# Altium PCB DB31.PcbDoc (part 6 of 8) (continued)
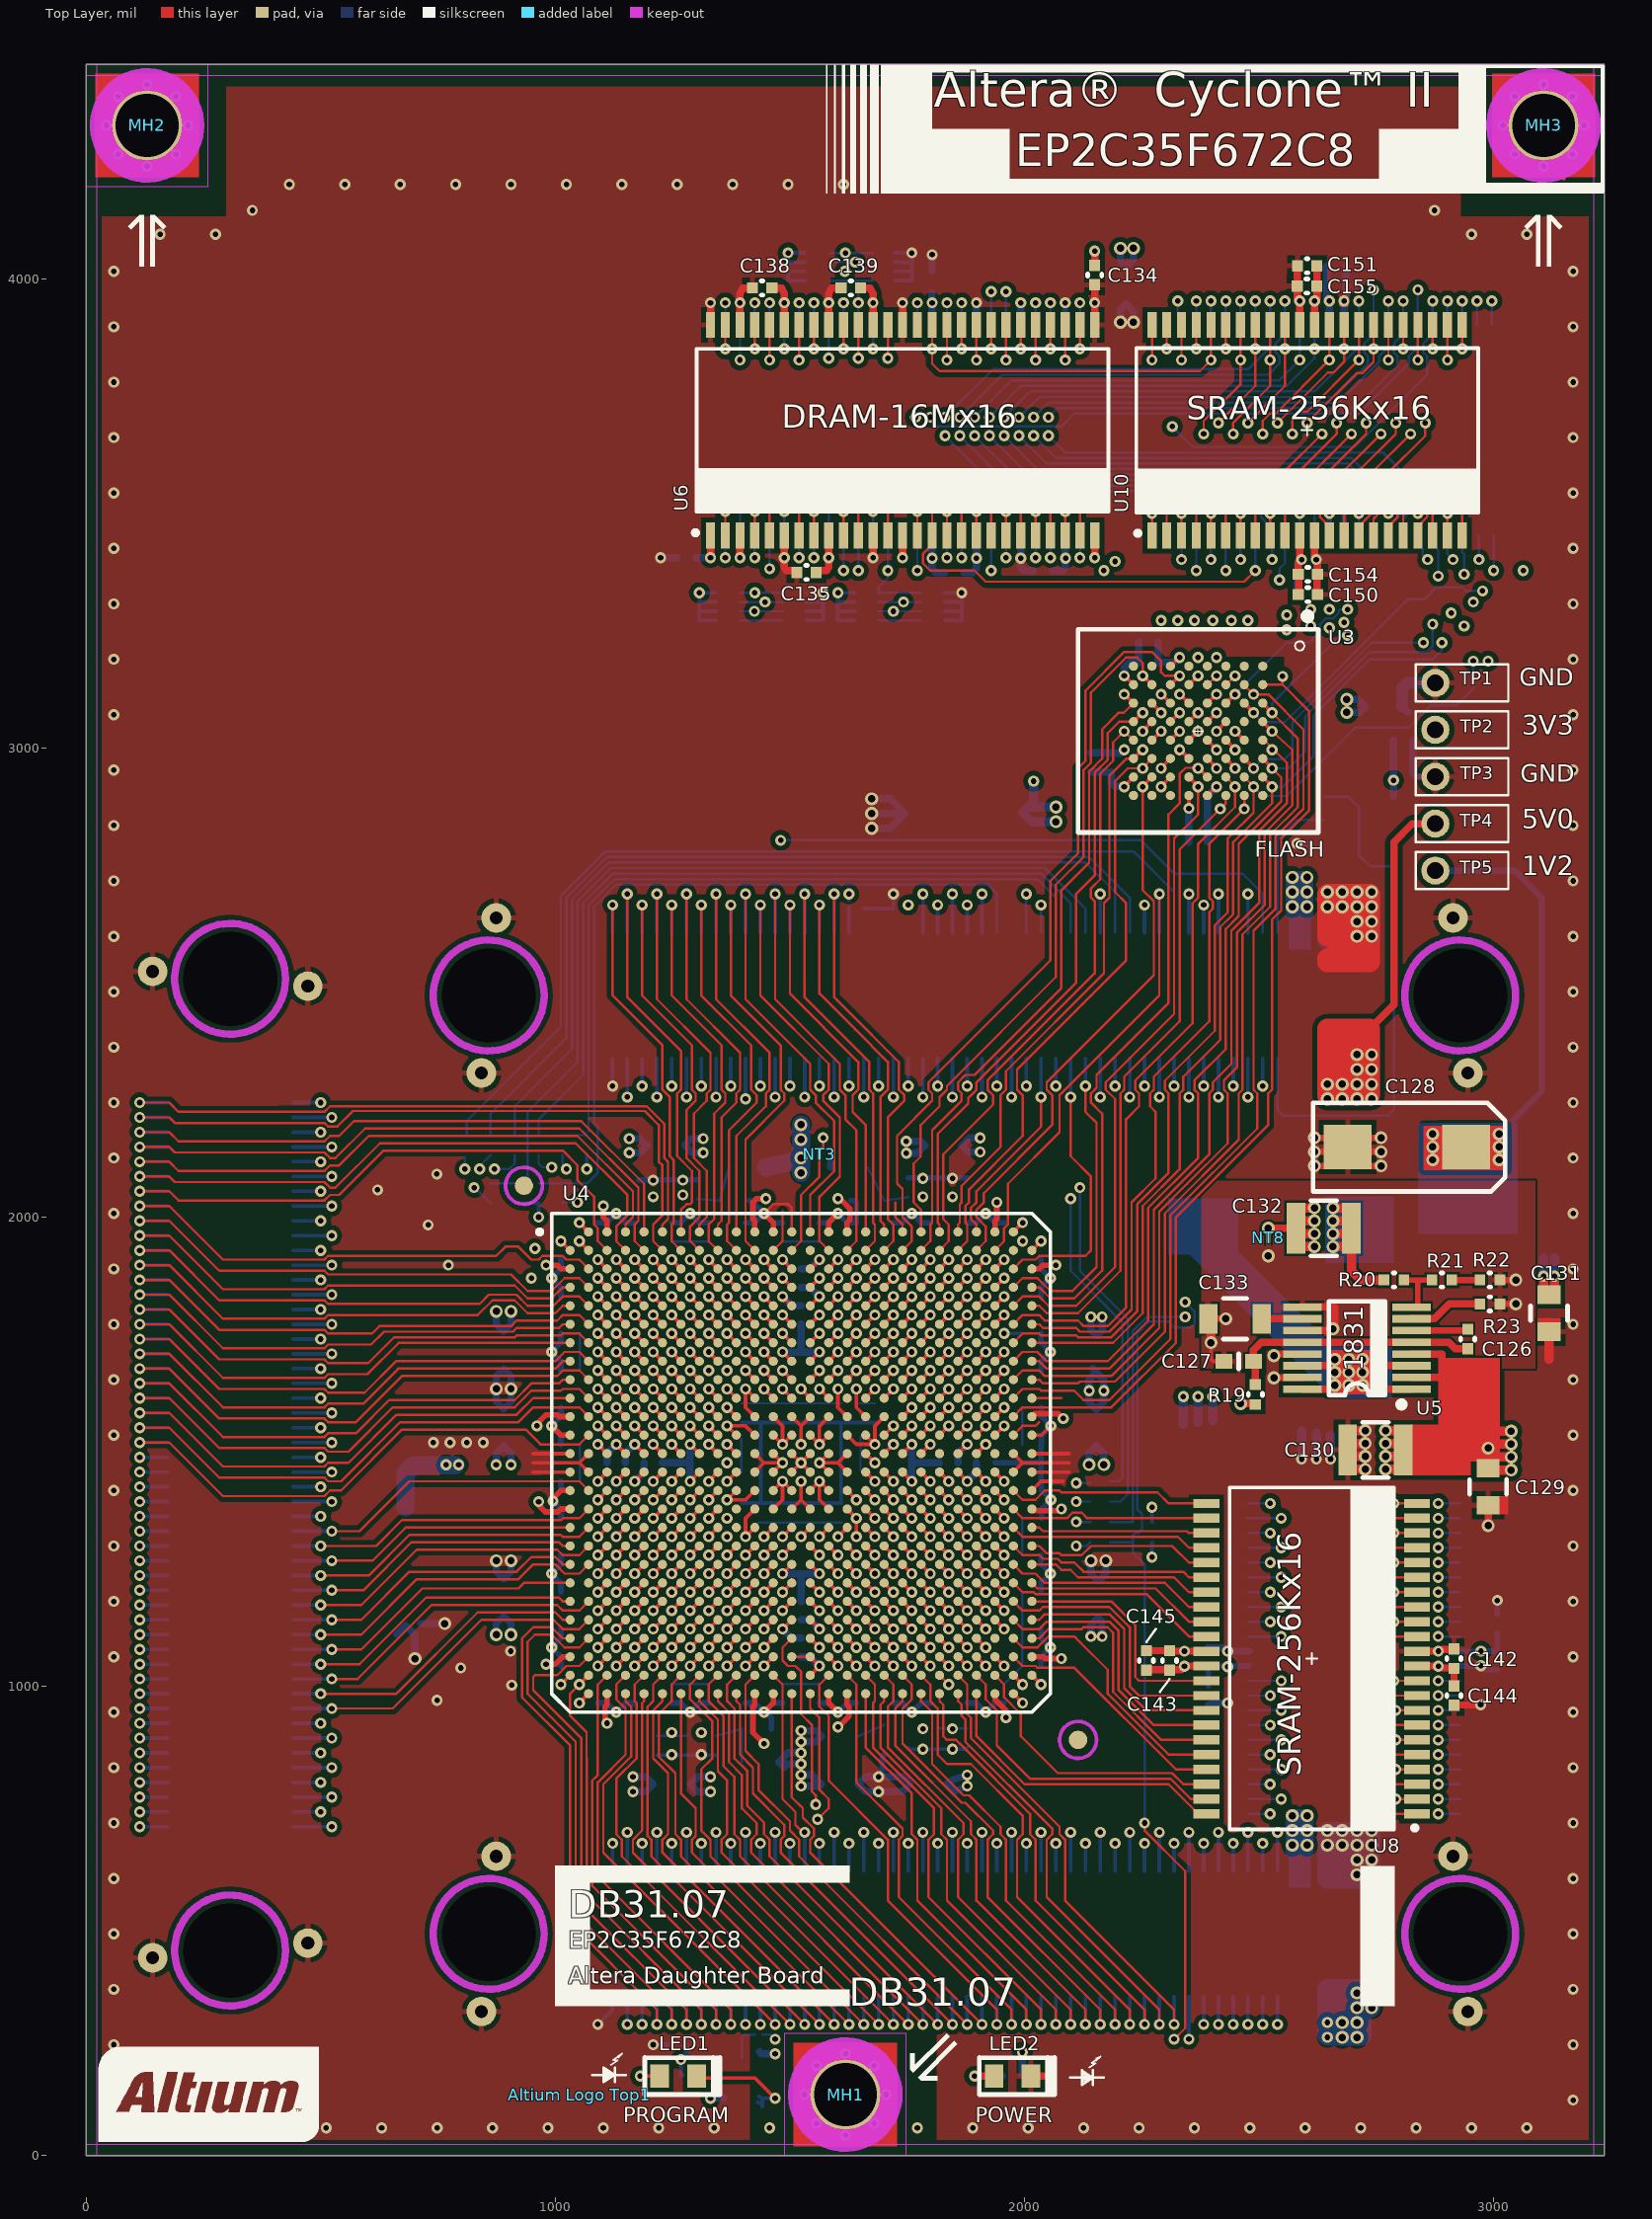
[diagram p0: Top Layer view]
## Nets (pads, with @x,y where several pads share a name; then routed paths per layer and width w, separated by ;. In a path a pad name is that pad's centre, name@x,y a point inside that pad or via, vN(x,y) a via of type N, cw(c..) or ccw(c..) an arc to the next point about the centre after c; other vN are vias at no path point) (continued)
  other v2: 1248.03,854.33 1311.02,854.33 1992.13,3404.53
  other v3: 2708.66,598.42 2740.16,598.42 2708.66,629.92 2740.16,629.92 2645.67,661.42 2677.17,661.42 2708.66,661.42 2740.16,661.42 2645.67,692.91 2677.17,692.91 2708.66,692.91 2740.16,692.91 874.02,1633.86 905.51,1633.86 2740.16,2598.43 2708.66,2629.92 2740.16,2629.92 2645.67,2661.42 2677.17,2661.42 2708.66,2661.42 2740.16,2661.42 2645.67,2692.91 2677.17,2692.91 2708.66,2692.91 2740.16,2692.91
IO0: HDR_B1.7 U4.AC1 | length 1122.9
  Top Layer w5: U4.AC1@1031.5,1102.36 1015.75,1102.36 992.13,1125.98 968.5,1125.98 956.69,1125.98 952.76,1125.98 929.13,1102.36 929.13,976.38 1031.5,874.02 1031.5,496.06 1216.54,311.02 v2(1216.54,279.53)
  Bottom Layer w7.87: v2(1216.54,279.53) HDR_B1.7@1216.54,338.58
IO1: HDR_B1.9 U4.AC2 | length 1157.2
  Top Layer w5: U4.AC2@1070.87,1102.36 1051.18,1082.68 1019.68,1082.68 992.13,1110.24 968.5,1110.24 956.69,1110.24 940.94,1094.49 940.94,984.25 1043.31,881.89 1043.31,515.75 1248.03,311.02 v2(1248.03,279.53)
  Bottom Layer w7.87: v2(1248.03,279.53) HDR_B1.9@1248.03,338.58
IO2: HDR_B1.11 U4.AD2 | length 1070.6
  Top Layer w5: U4.AD2@1070.87,1062.99 1051.18,1043.31 1023.62,1043.31 1003.94,1023.62 968.5,1023.62 956.69,1023.62 952.76,1019.68 952.76,992.13 1055.12,889.76 1055.12,535.43 1279.53,311.02 v2(1279.53,279.53)
  Bottom Layer w7.87: v2(1279.53,279.53) HDR_B1.11@1279.53,338.58
IO3: HDR_B1.13 U4.AE2 | length 935.2
  Top Layer w5: v1(1051.18,1003.93) 1031.5,984.25 1031.5,956.69 1031.5,944.88 1031.5,937.01 1066.44,902.07 1066.44,846.95 1066.93,846.46 1066.93,555.12 1311.02,311.02 v2(1311.02,279.53)
  Top Layer w7.87: v1(1051.18,1003.93) U4.AE2@1070.87,1023.62
  Bottom Layer w7.87: v2(1311.02,279.53) HDR_B1.13@1311.03,338.58
IO4: HDR_B1.15 U4.AE3 | length 925.5
  Top Layer w5: U4.AE3@1110.24,1023.62 1090.55,1003.94 1090.55,921.26 1090.55,909.45 1090.55,811.02 1078.74,799.21 1078.74,574.8 1342.52,311.02 v2(1342.52,279.53)
  Bottom Layer w7.87: v2(1342.52,279.53) HDR_B1.15@1342.52,338.58
IO5: HDR_B1.17 U4.AE4 | length 961.3
  Top Layer w5: U4.AE4@1149.61,1023.62 1129.92,1003.94 1129.92,972.44 1149.61,952.76 1149.61,921.26 1149.61,909.45 1149.61,854.33 1090.55,795.28 1090.55,594.49 1374.02,311.02 v2(1374.02,279.53)
  Bottom Layer w7.87: v2(1374.02,279.53) HDR_B1.17@1374.02,338.58
IO6: HDR_B1.19 U4.AD4 | length 1041.2
  Top Layer w7.87: v1(1129.92,1043.3) U4.AD4@1149.61,1062.99
  MidLayer1 w5: v1(1129.92,1043.3) 1129.92,1007.87 1090.55,968.5 1090.55,921.26 1090.55,909.45 1090.55,842.52 1043.31,795.27 1043.31,633.86 1120.32,556.84 1128.2,556.84 v2(1405.51,279.53)
  Bottom Layer w7.87: v2(1405.51,279.53) HDR_B1.19@1405.51,338.58
IO7: HDR_B1.21 U4.AC5 | length 1109.4
  Top Layer w7.87: v1(1169.29,1082.67) U4.AC5@1188.98,1102.36
  MidLayer1 w5: v1(1169.29,1082.67) 1149.61,1062.99 1149.61,921.26 1149.61,909.45 1149.61,885.83 1055.12,791.34 1055.12,637.8 1125.98,566.93 1149.61,566.93 v2(1437.01,279.53)
  Bottom Layer w7.87: v2(1437.01,279.53) HDR_B1.21@1437.01,338.58
IO8: HDR_B1.23 U4.AF4 | length 944.8
  Top Layer w5: U4.AF4@1149.61,984.25 1149.61,968.51 1161.42,956.7 1161.42,921.26 1161.42,909.45 1161.42,850.39 1102.36,791.34 1102.36,645.67 v2(1468.5,279.53)
  Bottom Layer w7.87: v2(1468.5,279.53) HDR_B1.23@1468.51,338.58
IO9: HDR_B1.25 U4.AE5 | length 984.2
  Top Layer w5: U4.AE5@1188.98,1023.62 1169.29,1003.94 1169.29,968.5 1173.23,964.57 1173.23,921.26 1173.23,909.45 1173.23,846.46 1129.92,803.15 1129.92,685.04 1141.73,673.23 1141.73,637.79 v2(1500,279.53)
  Bottom Layer w7.87: v2(1500,279.53) HDR_B1.25@1500,338.58
IO10: HDR_B1.27 U4.AF5 | length 925.2
  Top Layer w5: U4.AF5@1188.98,984.25 1188.98,968.5 1185.04,964.57 1185.04,921.26 1185.04,909.45 1185.04,692.91 1165.35,673.23 1165.35,645.67 v2(1531.5,279.53)
  Bottom Layer w7.87: v2(1531.5,279.53) HDR_B1.27@1531.5,338.58
IO11: HDR_B1.29 U4.AE6 | length 967.9
  Top Layer w5: U4.AE6@1228.35,1023.62 1208.66,1003.94 1208.66,968.5 1196.85,956.69 1196.85,921.26 1196.85,909.45 1196.85,681.1 1204.72,673.23 1204.72,637.79 v2(1562.99,279.53)
  Bottom Layer w7.87: v2(1562.99,279.53) HDR_B1.29@1562.99,338.58
IO12: HDR_B1.31 U4.AF6 | length 941.5
  Top Layer w5: U4.AF6@1228.35,984.25 1228.35,968.5 1208.66,948.82 1208.66,921.26 1208.66,909.45 1208.66,846.46 1240.16,814.96 1240.16,685.04 1228.35,673.23 1228.35,645.67 v2(1594.49,279.53)
  Bottom Layer w7.87: v2(1594.49,279.53) HDR_B1.31@1594.49,338.58
IO13: HDR_B1.33 U4.AE7 | length 990.7
  Top Layer w5: U4.AE7@1267.72,1023.62 1248.03,1003.94 1248.03,968.5 1220.47,940.94 1220.47,921.26 1220.47,909.45 1220.47,850.39 1255.91,814.96 1255.91,685.04 1267.72,673.23 1267.72,637.79 v2(1625.99,279.53)
  Bottom Layer w7.87: v2(1625.99,279.53) HDR_B1.33@1625.99,338.58
IO14: HDR_B1.35 U4.AF7 | length 931.7
  Top Layer w5: U4.AF7@1267.72,984.25 1267.72,968.5 1267.72,921.26 1267.72,909.45 1267.72,771.65 1299.21,740.16 1299.21,681.1 1291.34,673.23 1291.34,645.67 v2(1657.48,279.53)
  Bottom Layer w7.87: v2(1657.48,279.53) HDR_B1.35@1657.48,338.58
IO15: HDR_B1.37 U4.AE8 | length 997.2
  Top Layer w5: U4.AE8@1307.09,1023.62 1287.4,1003.94 1287.4,972.44 1334.65,925.2 1334.65,921.26 1334.65,909.45 1334.65,846.46 1311.02,822.83 1311.02,692.91 1330.71,673.23 1330.71,637.79 v2(1688.98,279.53)
  Bottom Layer w7.87: v2(1688.98,279.53) HDR_B1.37@1688.98,338.58
IO16: HDR_B1.39 U4.AF8 | length 944.8
  Top Layer w5: U4.AF8@1307.09,984.25 1307.09,968.51 1346.46,929.14 1346.46,921.26 1346.46,909.45 1346.46,818.9 1366.14,799.21 1366.14,685.04 1354.33,673.23 1354.33,645.67 v2(1720.47,279.53)
  Bottom Layer w7.87: v2(1720.47,279.53) HDR_B1.39@1720.48,338.58
IO17: HDR_B1.41 U4.AE9 | length 987.4
  Top Layer w5: U4.AE9@1346.46,1023.62 1326.77,1003.94 1326.77,968.5 1358.27,937.01 1358.27,921.26 1358.27,909.45 1358.27,830.46 1381.89,806.84 1381.89,685.04 1393.7,673.23 1393.7,637.79 v2(1751.97,279.53)
  Bottom Layer w7.87: v2(1751.97,279.53) HDR_B1.41@1751.97,338.58
IO18: HDR_B1.43 U4.AF9 | length 954.6
  Top Layer w5: U4.AF9@1346.46,984.25 1346.46,968.5 1370.08,944.88 1370.08,921.26 1370.08,909.45 1370.08,838.58 1397.64,811.02 1397.64,740.16 1429.13,708.66 1429.13,685.04 1417.32,673.23 1417.32,645.67 v2(1783.47,279.53)
  Bottom Layer w7.87: v2(1783.47,279.53) HDR_B1.43@1783.47,338.58
IO19: HDR_B1.45 U4.AE10 | length 997.2
  Top Layer w5: U4.AE10@1385.83,1023.62 1366.14,1003.94 1366.14,968.5 1381.89,952.76 1381.89,921.26 1381.89,909.45 1381.89,846.46 1409.45,818.9 1409.45,745.08 1444.88,709.64 1444.88,685.04 1456.69,673.23 1456.69,637.79 v2(1814.96,279.53)
  Bottom Layer w7.87: v2(1814.96,279.53) HDR_B1.45@1814.96,338.58
IO20: HDR_B1.47 U4.AF10 | length 961.1
  Top Layer w5: U4.AF10@1385.83,984.25 1385.83,968.5 1393.7,960.63 1393.7,921.26 1393.7,909.45 1393.7,854.33 1421.26,826.77 1421.26,771.65 1488.19,704.72 1488.19,681.1 1480.31,673.23 1480.31,645.67 v2(1846.46,279.53)
  Bottom Layer w7.87: v2(1846.46,279.53) HDR_B1.47@1846.46,338.58
IO21: HDR_B1.49 U4.AE11 | length 1007
  Top Layer w5: U4.AE11@1425.2,1023.62 1405.51,1003.93 1405.51,921.26 1405.51,909.45 1405.51,862.2 1433.07,834.65 1433.07,779.53 1500,712.6 1500,692.91 1519.69,673.23 1519.69,637.79 v2(1877.95,279.53)
  Bottom Layer w7.87: v2(1877.95,279.53) HDR_B1.49@1877.96,338.58
IO22: HDR_B1.51 U4.AF13 | length 938.3
  Top Layer w5: U4.AF13@1503.94,984.25 1503.94,921.26 1503.94,909.45 1503.94,763.78 1527.56,740.16 1527.56,720.47 1551.18,696.85 1551.18,681.1 1543.31,673.23 1543.31,645.67 v2(1909.45,279.53)
  Bottom Layer w7.87: v2(1909.45,279.53) HDR_B1.51@1909.45,338.58
IO23: HDR_B1.53 U4.AE15 | length 967.9
  Top Layer w5: U4.AE15@1582.68,1023.62 1562.99,1003.93 1562.99,956.69 1582.68,937.01 1582.68,921.26 1582.68,909.45 1582.68,799.21 1708.66,673.23 1708.66,543.31 1940.95,311.02 v2(1940.95,279.53)
  Bottom Layer w7.87: v2(1940.95,279.53) HDR_B1.53@1940.95,338.58
IO24: HDR_B1.55 U4.AE16 | length 954.8
  Top Layer w5: U4.AE16@1622.05,1023.62 1641.73,1003.93 1641.73,921.26 1641.73,909.45 1641.73,795.28 1740.16,696.85 1740.16,681.1 1732.28,673.23 1732.28,551.18 1972.44,311.02 v2(1972.44,279.53)
  Bottom Layer w7.87: v2(1972.44,279.53) HDR_B1.55@1972.44,338.58
IO25: HDR_B1.57 U4.AF17 | length 905.7
  Top Layer w5: U4.AF17@1661.42,984.25 1661.42,921.26 1661.42,909.45 1661.42,870.08 1759.84,771.65 1759.84,685.04 1771.65,673.23 1771.65,543.31 2003.94,311.02 v2(2003.94,279.53)
  Bottom Layer w7.87: v2(2003.94,279.53) HDR_B1.57@2003.94,338.58
IO26: HDR_B1.59 U4.AE17 | length 971.1
  Top Layer w5: U4.AE17@1661.42,1023.62 1681.1,1003.94 1681.1,968.5 1677.17,964.57 1677.17,921.26 1677.17,909.45 1677.17,870.08 1807.09,740.16 1807.09,685.04 1795.27,673.23 1795.27,551.18 2035.43,311.02 v2(2035.43,279.53)
  Bottom Layer w7.87: v2(2035.43,279.53) HDR_B1.59@2035.44,338.58
IO27: HDR_B1.61 U4.AF18 | length 922
  Top Layer w5: U4.AF18@1700.79,984.25 1700.79,968.5 1692.91,960.63 1692.91,921.26 1692.91,909.45 1692.91,870.08 1822.83,740.16 1822.83,685.04 1834.64,673.23 1834.64,543.31 2066.93,311.02 v2(2066.93,279.53)
  Bottom Layer w7.87: v2(2066.93,279.53) HDR_B1.61@2066.93,338.58
IO28: HDR_B1.63 U4.AE18 | length 987.4
  Top Layer w5: U4.AE18@1700.79,1023.62 1720.47,1003.94 1720.47,968.5 1708.66,956.69 1708.66,921.26 1708.66,909.45 1708.66,870.08 1870.08,708.66 1870.08,685.04 1858.27,673.23 1858.27,551.18 2098.43,311.02 v2(2098.43,279.53)
  Bottom Layer w7.87: v2(2098.43,279.53) HDR_B1.63@2098.43,338.58
IO29: HDR_B1.65 U4.AF19 | length 938.3
  Top Layer w5: U4.AF19@1740.16,984.25 1740.16,968.51 1724.41,952.76 1724.41,921.26 1724.41,909.45 1724.41,874.02 1885.83,712.6 1885.83,685.04 1897.64,673.23 1897.64,543.31 2129.92,311.02 v2(2129.92,279.53)
  Bottom Layer w7.87: v2(2129.92,279.53) HDR_B1.65@2129.92,338.58
IO30: HDR_B1.67 U4.AE19 | length 1008.3
  Top Layer w5: U4.AE19@1740.16,1023.62 1759.84,1003.94 1759.84,972.44 1740.16,952.76 1740.16,921.26 1740.16,909.45 1740.16,877.95 1866.14,751.97 1874.02,751.97 1933.07,692.91 1933.07,685.04 1921.26,673.23 1921.26,551.18 2161.42,311.02 v2(2161.42,279.53)
  Bottom Layer w7.87: v2(2161.42,279.53) HDR_B1.67@2161.42,338.58
IO31: HDR_B1.69 U4.AF20 | length 941.9
  Top Layer w5: U4.AF20@1779.53,984.25 1779.53,968.5 1803.15,944.88 1803.15,921.26 1803.15,909.45 1803.15,834.65 1870.08,767.72 1881.89,767.72 1948.82,700.79 1948.82,685.04 1960.63,673.23 1960.63,543.31 2192.91,311.02 v2(2192.91,279.53)
  Bottom Layer w7.87: v2(2192.91,279.53) HDR_B1.69@2192.92,338.58
IO32: HDR_B1.71 U4.AE20 | length 1027.2
  Top Layer w5: U4.AE20@1779.53,1023.62 1799.21,1003.94 1799.21,968.5 1814.96,952.75 1814.96,921.26 1814.96,909.45 1814.96,854.33 1834.65,834.65 1885.83,834.65 1996.06,724.41 1996.06,685.04 1984.25,673.23 1984.25,551.18 2224.41,311.02 v2(2224.41,279.53)
  Bottom Layer w7.87: v2(2224.41,279.53) HDR_B1.71@2224.41,338.58
IO33: HDR_B1.73 U4.AF21 | length 956.3
  Top Layer w5: U4.AF21@1818.9,984.25 1818.9,968.5 1826.77,960.63 1826.77,921.26 1826.77,909.45 1826.77,893.7 1834.65,885.83 1854.33,885.83 1866.14,874.02 2011.81,728.35 2011.81,685.04 2023.62,673.23 2023.62,543.31 2255.91,311.02 v2(2255.91,279.53)
  Bottom Layer w7.87: v2(2255.91,279.53) HDR_B1.73@2255.91,338.58
IO34: HDR_B1.75 U4.AF22 | length 951.3
  Top Layer w5: U4.AF22@1858.27,984.25 1858.27,968.5 1866.14,960.63 1866.14,937.01 1874.02,929.13 1874.02,921.26 1874.02,909.45 1874.02,881.89 2059.05,696.85 2059.05,685.04 2047.24,673.23 2047.24,551.18 2287.4,311.02 v2(2287.4,279.53)
  Bottom Layer w7.87: v2(2287.4,279.53) HDR_B1.75@2287.41,338.58
IO35: HDR_B1.77 U4.AE22 | length 994
  Top Layer w5: U4.AE22@1858.27,1023.62 1877.95,1003.94 1877.95,940.95 1885.83,933.07 1885.83,921.26 1885.83,909.45 1885.83,889.76 2074.8,700.79 2074.8,685.04 2086.61,673.23 2086.61,543.31 2318.9,311.02 v2(2318.9,279.53)
  Bottom Layer w7.87: v2(2318.9,279.53) HDR_B1.77@2318.9,338.58
KBCLOCK: HDR_T1.26 U4.A17 | length 832.6
  Top Layer w5: v2(1500,2665.35) 1500,2476.38 1645.67,2330.71 1645.67,2271.65 1633.86,2259.84 1633.86,2224.41 1661.42,2196.85 1661.42,2039.37 1661.42,2031.5 U4.A17@1661.42,1968.5
  Bottom Layer w7.87: HDR_T1.26@1500,2606.3 v2(1500,2665.35)
KBDATA: HDR_T1.28 U4.B17 | length 912.6
  Top Layer w5: v2(1531.5,2688.98) 1531.5,2515.75 1531.5,2468.5 1669.29,2330.71 1669.29,2271.65 1677.17,2263.78 1677.17,2039.37 1677.17,2031.5 1677.17,1988.19 1681.1,1984.25 1681.1,1948.82 U4.B17@1661.42,1929.13
  Bottom Layer w7.87: HDR_T1.28@1531.5,2606.3 v2(1531.5,2688.98)
LED0: HDR_B1.6 U4.AD7 | length 490.9
  Top Layer w7.87: v1(1248.03,1043.3) U4.AD7@1267.72,1062.99
  MidLayer1 w5: v2(1185.04,665.35) 1185.04,696.85 1208.66,720.47 1208.66,909.45 1208.66,921.26 1208.66,980.31 1248.03,1019.68 v1(1248.03,1043.3)
  Bottom Layer w7.87: HDR_B1.6@1185.04,606.3 v2(1185.04,665.35)
LED1: HDR_B1.8 U4.AC8 | length 533.6
  Top Layer w7.87: v1(1287.4,1082.67) U4.AC8@1307.09,1102.36
  MidLayer1 w5: v2(1216.54,688.98) 1216.54,708.66 1224.41,716.54 1224.41,909.45 1224.41,921.26 1224.41,972.44 1267.72,1015.75 1267.72,1062.99 v1(1287.4,1082.67)
  Bottom Layer w7.87: HDR_B1.8@1216.54,606.3 v2(1216.54,688.98)
LED2: HDR_B1.10 U4.AD8 | length 481.2
  Top Layer w7.87: v1(1287.4,1043.3) U4.AD8@1307.09,1062.99
  MidLayer1 w5: v2(1248.03,665.35) 1248.03,822.83 1267.72,842.52 1267.72,909.45 1267.72,921.26 1267.72,996.06 1287.4,1015.74 v1(1287.4,1043.3)
  Bottom Layer w7.87: HDR_B1.10@1248.03,606.3 v2(1248.03,665.35)
LED3: HDR_B1.12 U4.AC9 | length 523.8
  Top Layer w7.87: v1(1326.77,1082.67) U4.AC9@1346.46,1102.36
  MidLayer1 w5: v2(1279.53,688.98) 1291.34,700.79 1291.34,909.45 1291.34,921.26 1307.09,937.01 1307.09,1062.99 v1(1326.77,1082.67)
  Bottom Layer w7.87: HDR_B1.12@1279.53,606.3 v2(1279.53,688.98)
LED4: HDR_B1.14 U4.AC10 | length 530.3
  Top Layer w7.87: v1(1366.14,1082.67) U4.AC10@1385.83,1102.36
  MidLayer1 w5: v2(1311.02,665.35) 1311.02,696.85 1350.39,736.22 1350.39,909.45 1350.39,921.26 1350.39,1023.62 1346.46,1027.56 1346.46,1062.99 v1(1366.14,1082.67)
  Bottom Layer w7.87: HDR_B1.14@1311.03,606.3 v2(1311.02,665.35)
LED5: HDR_B1.16 U4.AD10 | length 474.6
  Top Layer w7.87: v1(1366.14,1043.3) U4.AD10@1385.83,1062.99
  MidLayer1 w5: v2(1342.52,688.98) 1366.14,712.6 1366.14,909.45 1366.14,921.26 v1(1366.14,1043.3)
  Bottom Layer w7.87: HDR_B1.16@1342.52,606.3 v2(1342.52,688.98)
LED6: HDR_B1.18 U4.AC11 | length 517.3
  Top Layer w7.87: v1(1405.51,1082.67) U4.AC11@1425.2,1102.36
  MidLayer1 w5: v2(1374.02,665.35) 1374.02,688.98 1385.83,700.79 1385.83,909.45 1385.83,921.26 1385.83,1062.99 v1(1405.51,1082.67)
  Bottom Layer w7.87: HDR_B1.18@1374.02,606.3 v2(1374.02,665.35)
LED7: HDR_B1.20 U4.AD11 | length 471.4
  Top Layer w7.87: v1(1405.51,1043.3) U4.AD11@1425.2,1062.99
  MidLayer1 w5: v2(1405.51,688.98) 1405.51,704.72 1397.64,712.6 1397.64,909.45 1397.64,921.26 1397.64,1007.87 1405.51,1015.75 v1(1405.51,1043.3)
  Bottom Layer w7.87: HDR_B1.20@1405.51,606.3 v2(1405.51,688.98)
LED_PGM: LED1.2 U2.4 | length 255.9
  Top Layer w7.87: LED1.2@1295.28,165.35 1301.18,165.35 1425.2,165.35 v1(1468.5,122.05)
  Bottom Layer w7.87: U2.4@1431.51,112.95 1435.5,111.55 U2.4@1440.94,109.65 ; U2.4@1433.07,125.98 1435.04,125.98 1438.97,122.05 v1(1468.5,122.05) ; U2.4@1440.94,104.33 U2.4@1440.94,109.65 ; U2.4@1440.94,122.05 1440.94,110.24 U2.4@1440.94,109.65
LED_PWR: LED2.1 R2.2 | length 102.8
  Top Layer w15.75: v1(1893.7,169.29) LED2.1@1935.04,169.29 LED2.1@1937.01,169.29
  Bottom Layer w15.75: v1(1893.7,169.29) R2.2@1953.23,169.29
LX: L5.1 U5.1 U5.3 U5.14 U5.16 | length 727.1
  Top Layer w15.75: U5.16@2592.58,1633.25 2660.81,1633.25 v3@2669.29,1641.73 ; U5.14@2592.58,1683.25 2651.4,1683.25 ; 2653.54,1681.1 2651.4,1683.25 ; v3@2669.29,1677.17 2663.21,1683.25 2651.4,1683.25 ; 2748.03,1641.73 2756.52,1633.25 U5.1@2824.58,1633.25 ; 2748.03,1677.17 2754.11,1683.25 U5.3@2824.58,1683.25
  Bottom Layer w78.74: 2377.95,1948.82 2653.54,1673.23 v3@2669.29,1673.23
  other v3: 2661.42,1641.73 2690.96,1641.73 2720.5,1641.73 2661.42,1669.29 2690.96,1669.29 2720.5,1669.29 2661.42,1696.85 2690.96,1696.85 2720.5,1696.85
MOUSECLOCK: HDR_T1.30 U4.A18 | length 826
  Top Layer w5: v2(1562.99,2665.35) 1562.99,2476.38 1639.78,2399.59 1708.66,2330.71 1708.66,2271.65 1692.91,2255.91 1692.91,2039.37 1692.91,2031.5 1692.91,1992.13 1700.79,1984.25 U4.A18@1700.79,1968.5
  Bottom Layer w7.87: HDR_T1.30@1562.99,2606.3 v2(1562.99,2665.35)
MOUSEDATA: HDR_T1.32 U4.B18 | length 932.2
  Top Layer w5: v2(1594.49,2688.98) 1594.49,2468.5 1619.95,2443.04 1732.28,2330.71 1732.28,2271.65 1744.09,2259.84 1744.09,2248.03 1708.66,2212.6 1708.66,2039.37 1708.66,2031.5 1708.66,1996.06 1720.47,1984.25 1720.47,1948.82 U4.B18@1700.79,1929.13
  Bottom Layer w7.87: HDR_T1.32@1594.49,2606.3 v2(1594.49,2688.98)
MSEL0: R13.2 U4.P20 | length 406.4
  Top Layer w7.87: U4.P20@1779.53,1456.69 v1(1799.22,1437.01)
  MidLayer4 w5: v1(1799.22,1437.01) 1842.52,1480.31 2062.99,1480.31 v1(2110.24,1433.07)
  Bottom Layer w5: v1(2110.24,1433.07) R13.2@2140.23,1433.07
MSEL1: R12.2 U4.P21 | length 373.5
  Top Layer w7.87: U4.P21@1818.9,1456.69 v1(1838.59,1437.01)
  MidLayer4 w5: v1(1838.59,1437.01) 1870.08,1468.5 2035.43,1468.5 v1(2110.24,1393.7)
  Bottom Layer w5: v1(2110.24,1393.7) R12.2@2140.23,1393.7
NCONFIG: R14.2 U4.N7 | length 951
  Top Layer w7.87: v1(1248.03,1515.75) U4.N7@1267.72,1496.06
  MidLayer3 w5: v1(948.82,1870.08) 948.82,1893.7 984.25,1929.13 984.25,1960.63 1023.62,2000 v1(1023.62,2102.36)
  MidLayer4 w5: v1(948.82,1870.08) 948.82,1708.66 996.06,1661.42 996.06,1594.49 1035.43,1555.12 1035.43,1519.68 1070.87,1484.25 1216.54,1484.25 v1(1248.03,1515.75)
  Bottom Layer w5: R14.2@1015.75,2132.36 1015.75,2114.18 1023.62,2106.3 v1(1023.62,2102.36)
NetLED1_1: LED1.1 R1.2 | length 87.1
  Top Layer w7.87: v1(1181.1,169.29) LED1.1@1222.44,169.29
  Bottom Layer w7.87: v1(1181.1,169.29) R1.2@1226.85,169.29
NetR21_2: R21.2 R22.1 | length 60
  Top Layer w13.78: R21.2@2910.94,1866.14 R22.1@2970.94,1866.14
NetRN1_8: RN1.8 RN4.5 | length 91.3
  Bottom Layer w5: RN1.8@1688.58,3271.65 RN4.5@1779.53,3271.65 RN4.5@1779.92,3271.65
NetRN2_8: RN2.8 RN6.5 | length 91.3
  Bottom Layer w5: RN2.8@1393.3,3271.65 RN6.5@1483.28,3271.66 RN6.5@1484.64,3271.65
NEXUS_TCK: HDR_T1.82 U4.T21 | length 1873.4
  Top Layer w7.87: U4.T21@1818.9,1377.95 v1(1838.59,1358.27)
  MidLayer3 w5: v1(1838.59,1358.27) 1858.27,1338.58 1927.17,1338.58 1992.13,1338.58 2000,1330.71 2025.59,1330.71 2078.74,1330.71 2090.55,1330.71 2133.86,1330.71 2287.4,1484.25 2287.4,2027.56 2433.07,2173.23 2433.07,2263.78 2425.2,2271.65 2425.2,2381.89 2381.89,2425.2 v2(2381.89,2665.35)
  Bottom Layer w7.87: HDR_T1.82@2381.89,2606.3 v2(2381.89,2665.35)
NEXUS_TDI: HDR_T1.84 U4.U21 | length 1961.9
  Top Layer w7.87: U4.U21@1818.9,1338.58 v1(1838.59,1318.9)
  MidLayer3 w5: v1(1838.59,1318.9) 1858.27,1299.21 1980.31,1299.21 2000,1318.9 2078.74,1318.9 2090.55,1318.9 2153.54,1318.9 2299.21,1464.57 2299.21,2023.62 2444.88,2169.29 2444.88,2251.97 2464.57,2271.65 2464.57,2377.95 2413.38,2429.13 v2(2413.38,2688.98)
  Bottom Layer w7.87: HDR_T1.84@2413.39,2606.3 v2(2413.38,2688.98)
NEXUS_TDO: HDR_T1.76 U4.B24 | length 987.7
  Top Layer w5: U4.B24@1937.01,1929.13 1956.69,1948.82 1956.69,1976.38 1964.57,1984.25 1964.57,2031.5 1964.57,2039.37 1964.57,2070.87 2074.8,2181.1 2074.8,2259.84 2086.61,2271.65 2287.4,2472.44 v2(2287.4,2688.98)
  Bottom Layer w7.87: HDR_T1.76@2287.4,2606.3 v2(2287.4,2688.98)
NEXUS_TMS: HDR_T1.80 U4.T19 | length 1939
  Top Layer w7.87: U4.T19@1740.16,1377.95 v1(1759.84,1358.27)
  MidLayer3 w5: v1@1760.03,1358.08 1779.89,1377.95 1980.31,1377.95 2019.68,1417.32 2066.93,1417.32 2070.87,1413.39 2078.74,1413.39 2090.55,1413.39 2169.29,1413.39 2275.59,1519.69 2275.59,2031.5 2393.7,2149.61 2393.7,2263.78 2401.57,2271.65 2401.57,2366.14 2350.39,2417.33 v2(2350.39,2688.98)
  Bottom Layer w7.87: HDR_T1.80@2350.4,2606.3 v2(2350.39,2688.98)
NSTATUS: R18.2 U4.R22 | length 377.1
  Top Layer w7.87: U4.R22@1858.27,1417.32 v1(1877.96,1397.64)
  MidLayer4 w5: v1(1877.96,1397.64) 1897.64,1417.32 1897.64,1448.82 1905.51,1456.69 1964.57,1456.69 2070.87,1350.39 v1(2110.24,1350.39)
  Bottom Layer w5: v1(2110.24,1350.39) R18.2@2140.23,1350.39
ONE_WIRE.PIO2: U1.6
ONE_WIRE_DB_PB: HDR_B1.79 U4.Y12 | length 1843.4
  Top Layer w7.87: v1(1444.88,1200.78) U4.Y12@1464.57,1220.47
  MidLayer3 w5: v1(1444.88,1200.78) 1425.2,1181.1 1425.2,921.26 1425.2,909.45 1425.2,777.56 1385.83,738.19 1385.83,681.1 1740.16,326.77 2334.65,326.77 2350.39,311.02 v2(2350.39,248.03)
  Bottom Layer w7.87: v2(2350.39,248.03) HDR_B1.79@2350.4,338.58
ONE_WIRE_DBID: HDR_T1.92 U1.2 | length 314.2
  Bottom Layer w5: HDR_T1.92@2539.37,2606.3 2539.37,2678.98 2539.37,2805.12 2580.71,2846.46 U1.2@2637.59,2846.45
ONE_WIRE_PIO1: HDR_T1.91 U1.3 | length 1154.4
  Bottom Layer w5: HDR_T1.91@2539.37,2338.58 2539.37,2259.84 2539.37,2228.35 2551.18,2216.54 2775.59,2216.54 2787.4,2228.35 2787.4,2740.16 2779.53,2748.03 2736.22,2748.03 2712.6,2771.65 2712.6,2874.02 2690.16,2896.45 U1.3@2637.59,2896.45
REF_1V2: C133.2 U5.10 | length 86.8
  Top Layer w15.75: C133.2@2505.9,1783.46 2506.11,1783.25 U5.10@2592.58,1783.25
REF_CLK: HDR_B1.4 U4.AF14 | length 887.5
  Top Layer w5: U4.AF14@1543.31,984.25 1543.31,952.76 1562.99,933.07 1562.99,779.53 1582.68,759.84 1582.68,740.16 v1(1559.06,716.54)
  MidLayer1 w5: v2(1153.54,688.98) 1153.54,665.35 1177.17,641.73 1511.81,641.73 1519.68,649.61 1519.68,673.23 1511.81,681.1 1511.81,700.79 1527.56,716.54 v1(1559.06,716.54)
  Bottom Layer w7.87: HDR_B1.4@1153.55,606.3 v2(1153.54,688.98)
RS232_CTS: HDR_T1.22 U4.B15 | length 901.3
  Top Layer w5: v2(1437.01,2665.35) 1437.01,2472.44 1582.68,2326.77 1582.68,2271.65 1570.87,2259.84 1570.87,2251.97 1570.87,2248.03 1606.3,2212.6 1606.3,2086.61 1562.99,2043.31 1562.99,2039.37 1562.99,2031.5 1562.99,1948.82 U4.B15@1582.68,1929.13
  Bottom Layer w7.87: HDR_T1.22@1437.01,2606.3 v2(1437.01,2665.35)
RS232_RTS: HDR_T1.18 U4.B11 | length 885
  Top Layer w5: v2(1374.01,2665.35) 1374.01,2472.44 1480.31,2366.14 1480.31,2271.65 1488.19,2263.78 1488.19,2248.03 1405.51,2165.35 1405.51,2043.31 1405.51,2031.5 1405.51,1948.82 U4.B11@1425.2,1929.13
  Bottom Layer w7.87: HDR_T1.18@1374.02,2606.3 v2(1374.01,2665.35)
RS232_RX: HDR_T1.24 U4.B16 | length 922.4
  Top Layer w5: v2(1468.5,2688.98) 1468.5,2464.57 1606.3,2326.77 1606.3,2271.65 1618.11,2259.84 1618.11,2251.97 1618.11,2208.66 1641.73,2185.04 1641.73,2039.37 1641.73,2031.5 1641.73,1948.82 U4.B16@1622.05,1929.13
  Bottom Layer w7.87: HDR_T1.24@1468.5,2606.3 v2(1468.5,2688.98)
RS232_TX: HDR_T1.20 U4.A14 | length 902.6
  Top Layer w5: v2(1405.51,2688.98) 1405.51,2464.57 1543.31,2326.77 1543.31,2271.65 1555.12,2259.84 1555.12,2244.09 1594.49,2204.72 1594.49,2098.43 1543.31,2047.24 1543.31,2039.37 1543.31,2031.5 U4.A14@1543.31,1968.5
  Bottom Layer w7.87: HDR_T1.20@1405.51,2606.3 v2(1405.51,2688.98)
SCL: HDR_B1.5 U4.Y11 | length 1129.5
  Top Layer w7.87: v1(1405.51,1200.78) U4.Y11@1425.2,1220.47
  MidLayer3 w5: v2(1185.04,279.53) 1185.04,629.92 1287.4,732.28 1338.58,732.28 1385.83,779.53 1385.83,909.45 1385.83,921.26 1385.83,1181.1 v1(1405.51,1200.78)
  Bottom Layer w7.87: v2(1185.04,279.53) HDR_B1.5@1185.04,338.58
SDA: HDR_B1.3 U4.AA10 | length 1056.8
  Top Layer w7.87: v1(1366.14,1161.41) U4.AA10@1385.83,1181.1
  MidLayer3 w5: v2(1153.54,279.53) 1153.54,661.42 1346.46,854.33 1346.46,909.45 1346.46,921.26 1346.46,1141.73 v1(1366.14,1161.41)
  Bottom Layer w7.87: v2(1153.54,279.53) HDR_B1.3@1153.55,338.58
SLEEP_N: HDR_T1.93
SPI_CLK: HDR_T1.46 U4.F14 | length 1091.4
  Top Layer w7.87: U4.F14@1543.31,1771.65 v1(1562.99,1791.34)
  MidLayer2 w5: v1(1562.99,1791.34) 1543.31,1811.02 1543.31,2031.49 1543.31,2039.37 1543.31,2047.24 1740.16,2244.09 1740.16,2263.78 1728.35,2275.59 1728.35,2295.28 1814.96,2381.89 v2(1814.96,2665.35)
  Bottom Layer w7.87: HDR_T1.46@1814.96,2606.3 v2(1814.96,2665.35)
SPI_DIN: HDR_T1.44 U4.F13 | length 1206.1
  Top Layer w7.87: v1(1484.25,1791.34) U4.F13@1503.94,1771.65
  MidLayer2 w5: v1(1484.25,1791.34) 1464.57,1811.02 1464.57,1866.14 1464.57,1960.64 1484.25,1980.32 1484.25,2031.49 1484.25,2039.37 1484.25,2208.66 1507.87,2232.28 1606.3,2232.28 1646.13,2272.11 1649.61,2275.59 1649.61,2318.9 1704.72,2374.02 1704.72,2582.68 1783.46,2661.42 v2(1783.46,2688.98)
  Bottom Layer w7.87: HDR_T1.44@1783.47,2606.3 v2(1783.46,2688.98)
SPI_DOUT: HDR_T1.50 U4.F16 | length 1093.1
  Top Layer w7.87: U4.F16@1622.05,1771.65 v1(1641.73,1791.34)
  MidLayer2 w5: v1(1641.73,1791.34) 1622.05,1811.02 1622.05,1866.14 1622.05,1968.51 1645.67,1992.13 1645.67,2031.49 1645.67,2039.37 1645.67,2110.24 1767.72,2232.28 1787.4,2232.28 1803.15,2248.03 1803.15,2263.78 1795.28,2271.65 1795.28,2291.34 1877.95,2374.01 v2(1877.95,2665.35)
  Bottom Layer w7.87: HDR_T1.50@1877.95,2606.3 v2(1877.95,2665.35)
SPI_MODE: HDR_T1.52 U4.F17 | length 1135.8
  Top Layer w7.87: U4.F17@1661.42,1771.65 v1(1681.1,1791.34)
  MidLayer2 w5: v1(1681.1,1791.34) 1661.42,1811.02 1661.42,2031.49 1661.42,2039.37 1661.42,2107.28 1774.61,2220.47 1803.15,2220.47 1822.83,2240.16 1822.83,2259.84 1909.45,2346.46 v2(1909.45,2688.98)
  Bottom Layer w7.87: HDR_T1.52@1909.45,2606.3 v2(1909.45,2688.98)
SPI_SEL: HDR_T1.48 U4.F15 | length 1125.6
  Top Layer w7.87: U4.F15@1582.68,1771.65 v1(1602.36,1791.34)
  MidLayer2 w5: v1(1602.36,1791.34) 1582.68,1811.02 1582.68,2031.5 1582.62,2039.37 1582.62,2066.87 1763.78,2248.03 1763.78,2263.78 1775.59,2275.59 1775.59,2287.4 1846.46,2358.27 v2(1846.46,2688.98)
  Bottom Layer w7.87: HDR_T1.48@1846.46,2606.3 v2(1846.46,2688.98)
SRAM1_A0: U4.AC18 U9.1 | length 1163.8
  Top Layer w7.87: U4.AC18@1700.79,1102.36 v1(1720.47,1082.67)
  MidLayer1 w5: v1(1720.47,1082.67) 1740.16,1062.99 1740.16,1007.87 1720.47,988.19 1720.47,921.26 1720.47,909.45 1720.47,870.08 1755.91,834.65 1771.65,818.9 1779.53,818.9 1870.08,728.35 v1(2523.62,728.35)
  Bottom Layer w5: U9.1@2478.44,728.34 v1(2523.62,728.35)
SRAM1_A1: U4.AC19 U9.2 | length 1160
  Top Layer w7.87: U4.AC19@1740.16,1102.36 v1(1759.84,1082.67)
  MidLayer1 w5: v1(1759.84,1082.67) 1779.53,1062.99 1779.53,937.01 1763.78,921.26 1763.78,909.45 1763.78,858.27 1775.59,846.46 1787.4,846.46 1874.02,759.84 v1(2547.24,759.84)
  Bottom Layer w5: U9.2@2478.44,759.83 v1(2547.24,759.84)
SRAM1_A2: U4.AD21 U9.3 | length 997.3
  Top Layer w7.87: U4.AD21@1818.9,1062.99 v1(1838.58,1043.3)
  MidLayer1 w5: v1(1838.58,1043.3) 1838.58,1035.44 1814.96,1011.81 1814.96,921.26 1814.96,909.45 1814.96,870.08 1838.58,846.46 1901.57,846.46 1956.69,791.34 v1(2523.62,791.34)
  Bottom Layer w5: U9.3@2478.44,791.33 v1(2523.62,791.34)